# Altium PCB PCB1.PcbDoc (part 1 of 2) (continued)
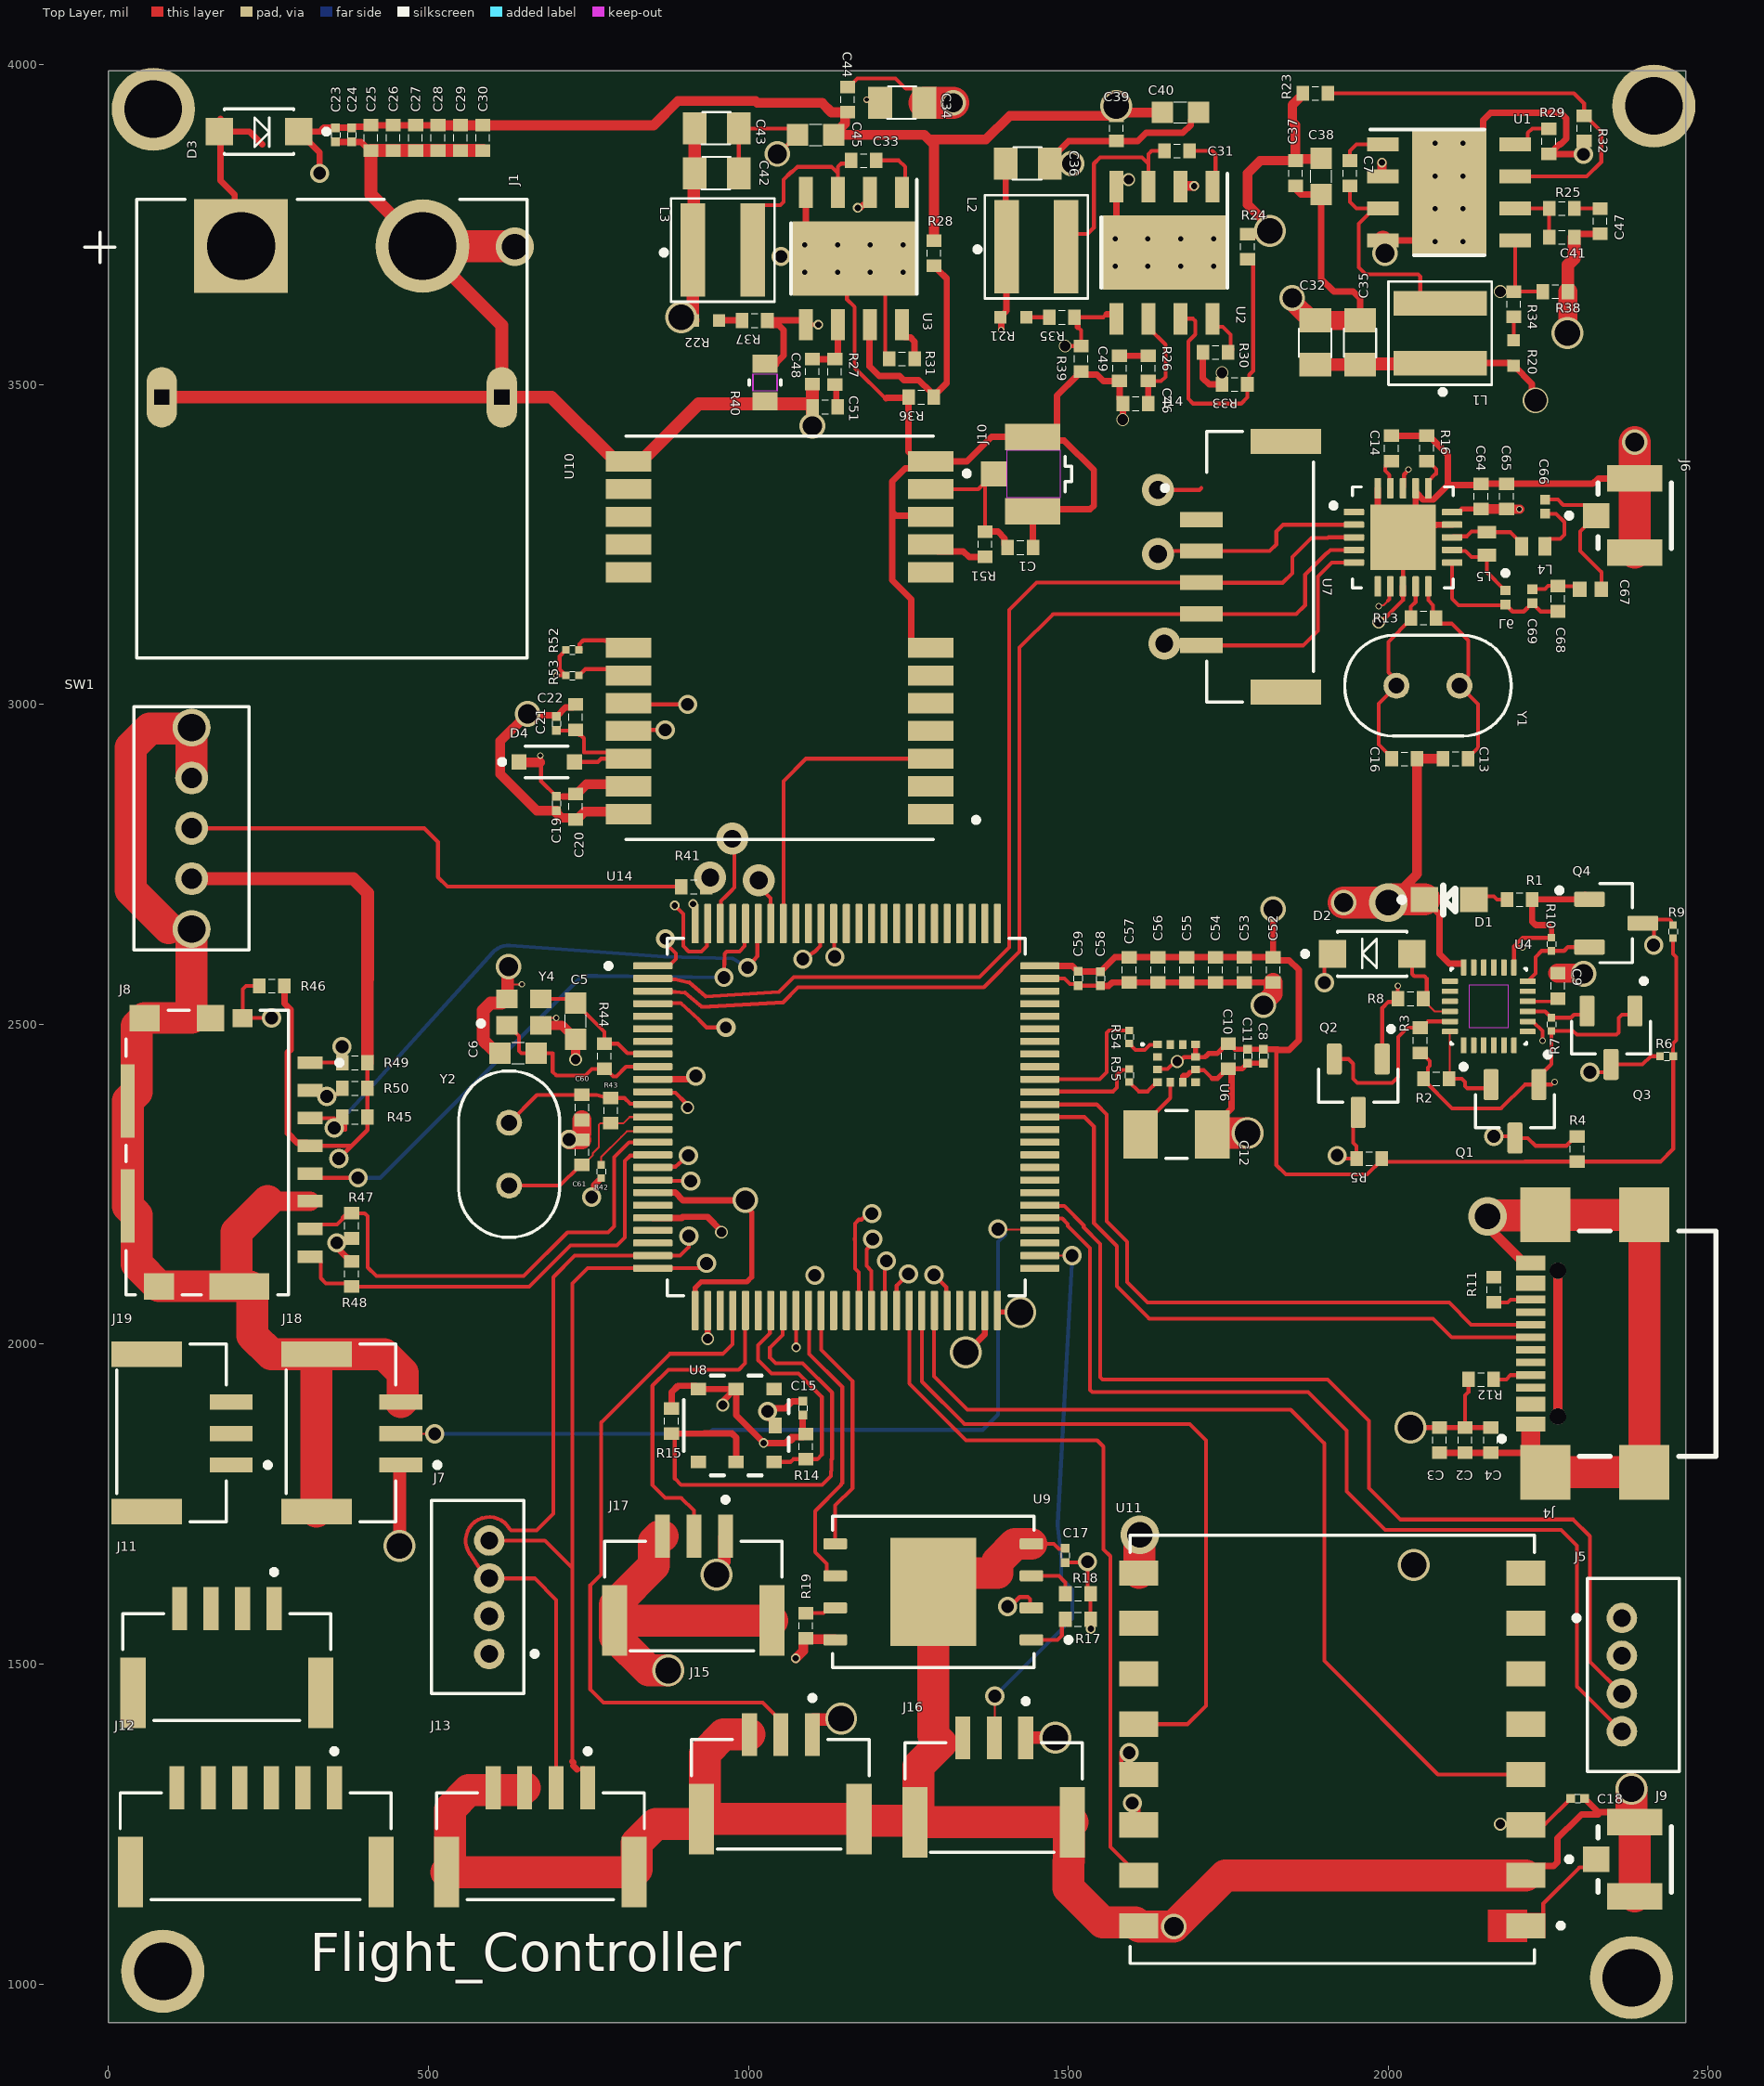
[diagram p0: Top Layer view]
## Part data (continued)
C41 C46 C48: "Cap Ceramic 100pF 100V C0G 5% SMD 0402 150°C Punched Paper T/R", Case Code (Imperial)=0402, Case Code (Metric)=1005, Dielectric=C0G, Manufacturer=TDK, Max Operating Temperature=150°C, Min Operating Temperature=-55°C, Package Quantity=10000, Supplier Part Number=445-C1005NP02A101J050BACT-ND, Tolerance=5%, Voltage Rating=100V, Case/Package=0402, Category="Ceramic Capacitors", ComponentLink1Description=http://www.mouser.com/ds/2/400/mlcc_commercial_hightemp_en-348760.pdf?src-supplier=Mouser, ComponentLink1URL=http://www.mouser.com/ds/2/400/mlcc_commercial_hightemp_en-348760.pdf?src-supplier=Mouser, ComponentLink2Description=https://product.tdk.com/en/products/common/pdf/mlcc_partnumber_description.pdf?src-supplier=Digi-Key, ComponentLink2URL=https://product.tdk.com/en/products/common/pdf/mlcc_partnumber_description.pdf?src-supplier=Digi-Key, ComponentLink3Description=http://product.tdk.com/capacitor/mlcc/class/print_detail_pdf.php?lang=en&part_no=C1005NP02A101J050BA&src-supplier=Avnet, ComponentLink3URL=http://product.tdk.com/capacitor/mlcc/class/print_detail_pdf.php?lang=en&part_no=C1005NP02A101J050BA&src-supplier=Avnet, Features="High Temperature", Height=0.5mm, Length=0.039inch, Manufacturer Part Number=C1005NP02A101J050BA, Mounting Technology="Surface Mount", Packaging="Tape and Reel", Pricing="1=0.14000, 10=0.10300, 50=0.05840, 100=0.04830, 500=0.03388, 1000=0.02805, 2500=0.02611, 5000=0.02389 (USD)", RoHS=Yes, RoHS Compliant=Yes, Stock=3231, Supplier=Digi-Key, Termination=SMD/SMT, Thickness=0.022inch, Voltage Rating (DC)=100V, Weight=2.3E-05oz, Width=0.02inch
C47 C49 C51: "Cap Ceramic 0.01uF 25V X5R 20% SMD 0402 85°C Punched Paper T/R", Case Code (Imperial)=0402, Case Code (Metric)=1005, Dielectric=X5R, Manufacturer=TDK, Max Operating Temperature=85°C, Min Operating Temperature=-55°C, Package Quantity=10000, Ratings=AEC-Q200, Supplier Part Number=445-12174-1-ND, Tolerance=20%, Voltage Rating=25V, Case/Package=0402, Category="Ceramic Capacitors", ComponentLink1Description=http://www.mouser.com/ds/2/400/lcc_automotive_general_en-843974.pdf?src-supplier=Mouser, ComponentLink1URL=http://www.mouser.com/ds/2/400/lcc_automotive_general_en-843974.pdf?src-supplier=Mouser, ComponentLink2Description=https://product.tdk.com/info/en/catalog/datasheets/mlcc_automotive_general_en.pdf?src-supplier=Digi-Key, ComponentLink2URL=https://product.tdk.com/info/en/catalog/datasheets/mlcc_automotive_general_en.pdf?src-supplier=Digi-Key, ComponentLink3Description=http://product.tdk.com/en/catalog/datasheets/mlcc_automotive_general_en.pdf?src-supplier=Avnet, ComponentLink3URL=http://product.tdk.com/en/catalog/datasheets/mlcc_automotive_general_en.pdf?src-supplier=Avnet, Height=0.5mm, Length=0.039inch, Manufacturer Part Number=CGA2B2X5R1E103M050BA, Mounting Technology="Surface Mount", Packaging="Tape and Reel", Pricing="1=0.10000, 10=0.03400, 50=0.01880, 100=0.01530, 500=0.01096, 1000=0.00861, 2500=0.00783, 5000=0.00720 (USD)", RoHS=Yes, RoHS Compliant=Yes, Series=CGA, Stock=528323, Supplier=Digi-Key, Thickness=0.022inch, Voltage Rating (DC)=25V, Weight=2.3E-05oz, Width=0.5mm
C65: "Multilayer Ceramic Capacitor, 1000 pF, 50 V, ± 10%, X7R, 0402 [1005 Metric]", Case Code (Imperial)=0402, Case Code (Metric)=1005, Dielectric=X7R, Manufacturer=Murata, Max Operating Temperature=125°C, Min Operating Temperature=-55°C, Package Quantity=1, Ratings=AEC-Q200, Supplier Part Number=7234950P, Tolerance=10%, Voltage=50V, Case/Package=0402, Category="Ceramic Capacitors", ComponentLink1Description=https://datasheet.ciiva.com/11786/0900766b80ef92d0-11786143.pdf?src-supplier=Rs, ComponentLink1URL=https://datasheet.ciiva.com/11786/0900766b80ef92d0-11786143.pdf?src-supplier=Rs, ComponentLink2Description=https://datasheet.ciiva.com/16213/product-16213384.pdf?src-supplier=Future+Electronics, ComponentLink2URL=https://datasheet.ciiva.com/16213/product-16213384.pdf?src-supplier=Future+Electronics, Construction=Flat, Depth=0.5mm, Height=0.5mm, Lead Free="Lead Free", Length=1mm, Manufacturer Part Number=GCM155R71H102KA37D, Material=4241ConductorMaterial, Mounting Technology="Surface Mount", Packaging="Tape and Reel", Pricing="400=1.045, 4000=0.675, 6000=0.495, 8000=0.31 (JPY)", Radiation Hardening=No, Reach SVHC Compliant=No, RoHS=Yes, RoHS Compliant=Yes, Series=GCM, Stock=9800, Supplier=Rs, Termination=SMD/SMT, Thickness=0.022inch, Voltage Rating=50V, Voltage Rating (DC)=50V, Width=0.02inch
C66: library part CGA1A2C0G1E1R5C030BA, "1.5 pF ±0.25pF 25V Ceramic Capacitor C0G, NP0 0201 (0603 Metric)", Manufacturer Part Number=CGA1A2C0G1E1R5C030BA
C67: library part GJM1555C1H1R0WB01D, "0402 50 V 1 pF ±0.05 pF Tolerance C0G Multilayer Ceramic Capacitor", Manufacturer Part Number=GJM1555C1H1R0WB01D
C68: "Multilayer Ceramic Capacitor, 2200 pF, 50 V, ± 10%, X7R, 0402 [1005 Metric]", Case Code (Imperial)=0402, Case Code (Metric)=1005, Dielectric=X7R, Manufacturer=Murata, Max Operating Temperature=125°C, Min Operating Temperature=-55°C, Package Quantity=1, Ratings=AEC-Q200, Supplier Part Number=7052250, Tolerance=10%, Voltage=50V, Case/Package=0402, Category="Ceramic Capacitors", ComponentLink1Description=https://datasheet.ciiva.com/130/product-130809.pdf?src-supplier=Digikey, ComponentLink1URL=https://datasheet.ciiva.com/130/product-130809.pdf?src-supplier=Digikey, ComponentLink2Description=https://datasheet.ciiva.com/130/product-130808.pdf?src-supplier=Digikey, ComponentLink2URL=https://datasheet.ciiva.com/130/product-130808.pdf?src-supplier=Digikey, ComponentLink3Description=https://datasheet.ciiva.com/130/product-130810.pdf?src-supplier=Digikey, ComponentLink3URL=https://datasheet.ciiva.com/130/product-130810.pdf?src-supplier=Digikey, ComponentLink4Description=https://datasheet.ciiva.com/11620/product-11620577.pdf?src-supplier=Avnet, ComponentLink4URL=https://datasheet.ciiva.com/11620/product-11620577.pdf?src-supplier=Avnet, ComponentLink5Description=https://datasheet.ciiva.com/26889/getdatasheetpartid-692458-26889132.pdf?src-supplier=Verical, ComponentLink5URL=https://datasheet.ciiva.com/26889/getdatasheetpartid-692458-26889132.pdf?src-supplier=Verical, Construction=Flat, Depth=0.5mm, Height=0.5mm, Lead Free=5697LeadFree, Length=1mm, Manufacturer Part Number=GCM155R71H222KA37D, Material=4241ConductorMaterial, Mounting Technology="Surface Mount", Packaging="Tape and Reel", Pricing="10000=0.0029, 40000=0.0027, 150000=0.0026, 250000=0.0025, 500000=0.0024 (USD)", Radiation Hardening=No, RoHS=Yes, RoHS Compliant=Yes, Series=GCM, Stock=80000, Supplier="Future Electronics", Termination=SMD/SMT, Thickness=0.022inch, Voltage Rating=50V, Voltage Rating (DC)=50V, Weight=2.3E-05oz, Width=0.02inch
C69: library part GRM0335C1E4R7CD01D, "4.7 pF ±0.25pF 25V Ceramic Capacitor C0G, NP0 0201 (0603 Metric)", Manufacturer Part Number=GRM0335C1E4R7CD01D
D1: "LED GREEN CLEAR 0603 R/A SMD", Case Code (Imperial)=0603, Case Code (Metric)=1608, Color=Green, Forward Current=30mA, Forward Voltage=2V, Lens Color=Colorless, Manufacturer="Vishay Lite-On", Max Operating Temperature=85°C, Min Operating Temperature=-55°C, Package Quantity=1, Power Dissipation=75mW, Reverse Voltage=5V, Supplier Part Number=6921219P, Test Current=20mA, Case/Package=0603, Category=LEDs, ComponentLink1Description=https://datasheet.ciiva.com/2110/ltst-s270kgkt-2110006.pdf?src-supplier=Digi-Key, ComponentLink1URL=https://datasheet.ciiva.com/2110/ltst-s270kgkt-2110006.pdf?src-supplier=Digi-Key, ComponentLink2Description=https://datasheet.ciiva.com/12400/ltst-s270kgkt-201847-12400865.pdf?src-supplier=Mouser, ComponentLink2URL=https://datasheet.ciiva.com/12400/ltst-s270kgkt-201847-12400865.pdf?src-supplier=Mouser, ComponentLink3Description=https://datasheet.ciiva.com/4266/dwonloadfilehandler-ashxtxtspecnods222000226-4266440.pdf?src-supplier=Arrow+Electronics, ComponentLink3URL=https://datasheet.ciiva.com/4266/dwonloadfilehandler-ashxtxtspecnods222000226-4266440.pdf?src-supplier=Arrow+Electronics, ComponentLink4Description=https://datasheet.ciiva.com/11774/0900766b80dc0b88-11774745.pdf?src-supplier=Rs, ComponentLink4URL=https://datasheet.ciiva.com/11774/0900766b80dc0b88-11774745.pdf?src-supplier=Rs, ComponentLink5Description=https://datasheet.ciiva.com/2110/s-110-ltst-s270kgkt-2110007.pdf?src-supplier=Digi-Key, ComponentLink5URL=https://datasheet.ciiva.com/2110/s-110-ltst-s270kgkt-2110007.pdf?src-supplier=Digi-Key, ComponentLink6Description=https://datasheet.ciiva.com/2110/s-110-ltst-s270kgkt-2110008.pdf?src-supplier=Digi-Key, ComponentLink6URL=https://datasheet.ciiva.com/2110/s-110-ltst-s270kgkt-2110008.pdf?src-supplier=Digi-Key, ComponentLink7Description=https://datasheet.ciiva.com/16448/ltst-s270kgkt-16448566.pdf?src-supplier=Future+Electronics, ComponentLink7URL=https://datasheet.ciiva.com/16448/ltst-s270kgkt-16448566.pdf?src-supplier=Future+Electronics, Depth=0.6mm, Dominant Wavelength=571nm, Height=0.6mm, Illumination Color=Green, Lead Free="Lead Free", Length=1.6mm, Lens Style=Diffused,Colorless,Rectangular,Clear, Lens Transparency=Clear, Luminous Intensity=71mcd, Manufacturer Part Number=LTST-S270KGKT, Mounting Technology="Surface Mount", Number of Elements=1, Number of LEDs=1, Packaging="Tape and Reel", Pins=2, Power Rating=75mW, Pricing="250=0.06300, 500=0.05900, 1250=0.03700, 2500=0.03500 (GBP)", Radiation Hardening=No, RoHS=Yes, RoHS Compliant=Yes, Stock=35150, Supplier=Rs, Viewing Angle=130°, Wavelength=574nm, Width=1.15mm
D2 D3: "Diode TVS Single Uni-Dir 30V 200W 2-Pin SOD-123F T/R", Breakdown Voltage=36.8V, Clamping Voltage=48.4V, Manufacturer=Littelfuse, Max Operating Temperature=150°C, Max Surge Current=4.1A, Min Breakdown Voltage=33.3V, Min Operating Temperature=-55°C, Peak Pulse Power=200W, Power Line Protection=No, Reverse Standoff Voltage=30V, Supplier Part Number=4083400, Category="TVS Diodes", ComponentLink1Description=https://datasheet.ciiva.com/6578/littelfuse-tvs-diode-smf-datasheet-pdf-6578351.pdf?src-supplier=Digi-Key, ComponentLink1URL=https://datasheet.ciiva.com/6578/littelfuse-tvs-diode-smf-datasheet-pdf-6578351.pdf?src-supplier=Digi-Key, Diode Type=ZENER, Lead Free="Lead Free", Manufacturer Part Number=SMF30A, Max Breakdown Voltage=36.8V, Mounting Technology="Surface Mount", Number of Channels=1, Number of Unidirectional Channels=1, Packaging="Tape and Reel", Peak Pulse Current=4.1A, Pins=2, Polarity=Unidirectional, Pricing="3000=0.0941, 9000=0.0905, 15000=0.0889, 30000=0.0867, 60000=0.0834 (USD)", Reach SVHC Compliant=Unknown, RoHS=Yes, RoHS Compliant=Yes, Series=SMF, Stock=75000, Supplier="Future Electronics", Termination=SMD/SMT
D4: "Diode Zener Single 5.1V 2% 500mW Automotive 2-Pin SOD-323F T/R", Case/Package=SOD-323F, Manufacturer=Nexperia, Supplier Part Number=1727-1761-1-ND, Category="Zener Diodes", ComponentLink1Description=http://www.farnell.com/datasheets/1508366.pdf?src-supplier=Farnell, ComponentLink1URL=http://www.farnell.com/datasheets/1508366.pdf?src-supplier=Farnell, ComponentLink2Description=https://www.mouser.com/ds/2/302/TDZXJ_SER-119854.pdf?src-supplier=Mouser, ComponentLink2URL=https://www.mouser.com/ds/2/302/TDZXJ_SER-119854.pdf?src-supplier=Mouser, Manufacturer Part Number=TDZ5V1J,115, Pricing="1=0.34000, 10=0.28100, 100=0.14910, 500=0.09810, 1000=0.06671 (USD)", RoHS=Yes, RoHS Compliant=Yes, Stock=14899, Supplier=Digi-Key
J1: "Socket, DC supply, male, PIN: 2", Manufacturer Part Number=XT60PW-M
J4: "USB-C (USB TYPE-C) USB 2.0 Receptacle Connector 24 (16+8 Dummy) Position Surface Mount, Right Angle", Manufacturer Part Number=USB4110GFA
J5 J7: "Header for PCB; pitch 1.50mm; 4-contacts; THT; male; top entry; 50V/1A", Color=Natural,White, Contact Resistance=30mR, Current Rating=1A, Flammability Rating="UL94 V-0", Housing Color=Beige, Insulation Resistance=500MR, Manufacturer=JST, Max Operating Temperature=85°C, Max Voltage Rating (AC)=50V, Min Operating Temperature=-25°C, Supplier Part Number=4966537, Body Plating=Tin, Category="Headers and Wire Housings", ComponentLink1Description=https://datasheet.ciiva.com/11752/0900766b8082f580-11752165.pdf?src-supplier=Rs, ComponentLink1URL=https://datasheet.ciiva.com/11752/0900766b8082f580-11752165.pdf?src-supplier=Rs, ComponentLink2Description=https://datasheet.ciiva.com/25616/0900766b81147f94-25616839.pdf?src-supplier=Rs, ComponentLink2URL=https://datasheet.ciiva.com/25616/0900766b81147f94-25616839.pdf?src-supplier=Rs, ComponentLink3Description=https://datasheet.ciiva.com/6747/80551-6747412.pdf?src-supplier=Newark, ComponentLink3URL=https://datasheet.ciiva.com/6747/80551-6747412.pdf?src-supplier=Newark, ComponentLink4Description=https://datasheet.ciiva.com/26894/getdatasheetpartid-731121-26894470.pdf?src-supplier=Verical, ComponentLink4URL=https://datasheet.ciiva.com/26894/getdatasheetpartid-731121-26894470.pdf?src-supplier=Verical, ComponentLink5Description=https://datasheet.ciiva.com/712/ezh-712479.pdf?src-supplier=Digikey, ComponentLink5URL=https://datasheet.ciiva.com/712/ezh-712479.pdf?src-supplier=Digikey, ComponentLink6Description=https://datasheet.ciiva.com/8052/80551-8052053.pdf?src-supplier=Element14, ComponentLink6URL=https://datasheet.ciiva.com/8052/80551-8052053.pdf?src-supplier=Element14, ComponentLink7Description=https://datasheet.ciiva.com/16207/ezr-16207223.pdf?src-supplier=Future+Electronics, ComponentLink7URL=https://datasheet.ciiva.com/16207/ezr-16207223.pdf?src-supplier=Future+Electronics, Contact Material=Brass,Tin,Copper, Contact Mating Length=0.094inch, Contact Plating=Tin,Copper, Contact Type="Male Pin", Depth=3.5mm, Fastening Type=Detent, Housing Material=Polyamide, Lead Free="Lead Free", Lead Pitch=1.5mm, Length=7.5mm, Manufacturer Part Number=B4B-ZR(LF)(SN), Material=Nylon, Max Current Rating=1A, Mounting Technology="Through Hole", Number of Contacts=4, Number of Positions=4, Number of Rows=1, Orientation=Straight, Packaging=Bulk, Panel Thickness=3.5mm, Pitch=1.5mm, Pricing="1=0.1, 400=0.0957, 1250=0.0916, 2000=0.0908, 4000=0.0877, 8000=0.0861, 10000=0.0854, 12500=0.0803, 30000=0.081 (USD)", Reach SVHC Compliant=No, RoHS=Yes, Series=ZH, Stock=657, Supplier="Future Electronics", Termination=Solder, Voltage Rating=50V, Voltage Rating (AC)=50V, Voltage Rating (DC)=50V
J6 J9: "RF Connector; Coaxial Connectors MicroCoax receptacle UMCC Gen 1", Clock Frequency=6GHz, Dielectric Material=Thermoplastic, Manufacturer="TE Connectivity", Max Operating Temperature=85°C, Min Operating Temperature=-40°C, Supplier Part Number=1888357, Body Material="Copper Alloy", Category="RF / Coaxial Connectors", Center Contact Plating=Gold, ComponentLink1Description=https://www.te.com/commerce/DocumentDelivery/DDEController?Action=srchrtrv&amp;DocNm=C-2337019&amp;DocType=Customer+Drawing&amp;DocLang=English&src-supplier=Digi-Key, ComponentLink1URL=https://www.te.com/commerce/DocumentDelivery/DDEController?Action=srchrtrv&amp;DocNm=C-2337019&amp;DocType=Customer+Drawing&amp;DocLang=English&src-supplier=Digi-Key, ComponentLink2Description=https://datasheet.octopart.com/2337019-1-TE-Connectivity-datasheet-169146699.pdf?src-supplier=Sager+Electronics, ComponentLink2URL=https://datasheet.octopart.com/2337019-1-TE-Connectivity-datasheet-169146699.pdf?src-supplier=Sager+Electronics, Connector Type="Receptacle,Male Pin", Contact Material="Copper Alloy", Impedance=50R, Manufacturer Part Number=2337019-1, Mounting Technology="Surface Mount", Number of Ports=1, Packaging="Cut Tape", Pricing="10000=0.074, 30000=0.074 (GBP)", RoHS=Yes, Series=-, Stock=10300, Supplier=Rs, Termination=Solder
J8: "Conn Micro SD Card HDR 8 POS 1.09mm Solder RA SMD 0.5A/Contact Embossed T/R", Manufacturer=Molex, Max Operating Temperature=85°C, Max Voltage Rating (DC)=5V, Min Operating Temperature=-40°C, Package Quantity=6000, Supplier Part Number 1=WM14405CT-ND, Category="Memory Connectors", ComponentLink1Description=https://datasheet.ciiva.com/29723/1051620101-sd-29723393.pdf?src-supplier=Digikey, ComponentLink1URL=https://datasheet.ciiva.com/29723/1051620101-sd-29723393.pdf?src-supplier=Digikey, Connector Type=Connector, Contact Material=Bronze, Contact Plating=Gold, Depth=7.6mm, Housing Material=Thermoplastic, Length=11.3mm, Manufacturer Part Number=1051620001, Mount="Surface Mount", Number of Circuits=8, Number of Rows=1, Orientation="Right Angle", Packaging="Tape and Reel", Pricing 1="1=1.03, 10=0.852, 100=0.7098, 1000=0.56786 (USD)", RoHS=Yes, RoHS Compliant=Yes, Series=105162, Stock 1=43165, Supplier 1=Digikey, Termination=Solder
J10: "1 POS Vertical SMD Coaxial connector M.2 industry standard with a mated height of 1.4 mm and support up to 12 GHz MHF 4L Receptacle", Manufacturer Part Number=20279-001E-03
J11 J13: "Conn Shrouded Header HDR 4 POS 1.25mm Solder ST Top Entry SMD T/R", Manufacturer=JST, Supplier Part Number=455-1580-1-ND, Category="Headers and Wire Housings", ComponentLink1Description=http://www.jst-mfg.com/product/pdf/eng/eGH.pdf?src-supplier=Digi-Key, ComponentLink1URL=http://www.jst-mfg.com/product/pdf/eng/eGH.pdf?src-supplier=Digi-Key, ComponentLink2Description=http://www.jst-mfg.com/product/pdf/eng/eGH.pdf?src-supplier=Component+Distributors+Inc., ComponentLink2URL=http://www.jst-mfg.com/product/pdf/eng/eGH.pdf?src-supplier=Component+Distributors+Inc., Manufacturer Part Number=BM04B-GHS-TBT(LF)(SN)(N), Pricing="1=0.50000, 10=0.42400, 100=0.32960, 500=0.28252, 1000=0.23544 (USD)", RoHS=Yes, Stock=4992, Supplier=Digi-Key
J12 J14: "Conn Shrouded Header (4 Sides) HDR 6 POS 1.25mm Solder ST Top Entry SMD T/R", Color=Natural, Flammability Rating="UL94 V-0", Manufacturer=JST, Max Operating Temperature=85°C, Min Operating Temperature=-25°C, Supplier Part Number=455-1582-6-ND, Voltage Rating=50V, Category=Connectors, ComponentLink1Description=https://datasheet.ciiva.com/712/egh-712475.pdf?src-supplier=Digi-Key, ComponentLink1URL=https://datasheet.ciiva.com/712/egh-712475.pdf?src-supplier=Digi-Key, ComponentLink2Description=https://datasheet.ciiva.com/712/egh-712476.pdf?src-supplier=Digi-Key, ComponentLink2URL=https://datasheet.ciiva.com/712/egh-712476.pdf?src-supplier=Digi-Key, ComponentLink3Description=https://datasheet.ciiva.com/730/egh-730626.pdf?src-supplier=Digi-Key, ComponentLink3URL=https://datasheet.ciiva.com/730/egh-730626.pdf?src-supplier=Digi-Key, Connector Type=Header, Contact Finish - Mating=TIN, Contact Material=Bronze, Contact Plating=Tin, Contact Shape=Rectangular, Contact Type="Outer Shroud Contact", Fastening Type=Ramp, Insulation Color=Natural, Insulation Material=Nylon, Lead Free="Lead Free", Manufacturer Part Number=BM06B-GHS-TBT(LF)(SN)(N), Mated Stacking Heights=7.3mm, Mounting Technology="Surface Mount", Number of Positions=6, Number of Rows=1, Packaging="Cut Tape", Pitch=0.049inch, Pricing="1=0.55, 10=0.482, 100=0.397, 500=0.34518, 1000=0.28477 (USD)", RoHS=Yes, Series=GH, Supplier=Digi-Key, Termination=Solder
J15 J16 J17 J18 J19: "Connector Header, GH Series, 3 Position, 1.25mm, 50V, Surface Mount, Locking Ramp, Natural", Current Rating=1A, Manufacturer=JST, Supplier Part Number="BM03B-GHS-TBT (LF)(SN)(N)", Category="Headers and Wire Housings", ComponentLink1Description=https://datasheet.ciiva.com/730/egh-730628.pdf?src-supplier=Digikey, ComponentLink1URL=https://datasheet.ciiva.com/730/egh-730628.pdf?src-supplier=Digikey, Height=4.05mm, Lead Free=5697LeadFree, Manufacturer Part Number=BM03B-GHS-TBT(LF)(SN)(N), Number of Contacts=3NUMBER, Orientation=5495OrientationType, Pricing="2500=0.352, 5000=0.3351, 10000=0.3244, 20000=0.3146, 25000=0.3041, 50000=0.2948 (USD)", RoHS=Yes, Stock=5000, Supplier="Arrow Electronics"
L1 L2 L3: "General Purpose Inductor, 15uH, 20%, 1 Element, SMD, 1616", Manufacturer="Wurth Electronics", Supplier Part Number=2842179, Category="Fixed Inductors", ComponentLink1Description=http://www.farnell.com/datasheets/2579563.pdf?src-supplier=Farnell, ComponentLink1URL=http://www.farnell.com/datasheets/2579563.pdf?src-supplier=Farnell, ComponentLink2Description=http://www.farnell.com/datasheets/2579563.pdf?src-supplier=Element14, ComponentLink2URL=http://www.farnell.com/datasheets/2579563.pdf?src-supplier=Element14, ComponentLink3Description=https://katalog.we-online.de/pbs/datasheet/74438356150.pdf?src-supplier=Digikey, ComponentLink3URL=https://katalog.we-online.de/pbs/datasheet/74438356150.pdf?src-supplier=Digikey, ComponentLink4Description=http://www.farnell.com/datasheets/2579563.pdf?src-supplier=Newark, ComponentLink4URL=http://www.farnell.com/datasheets/2579563.pdf?src-supplier=Newark, Manufacturer Part Number=74438356150, Pricing="1=338.96, 50=322.98, 100=299, 250=276.61, 500=257.42, 1000=209.46, 5000=205.28, 10000=201.09 (JPY)", RoHS=Yes, Stock=719, Supplier=Farnell
L4: library part LQW15AN2N7G8ZD, "Inductor with Inductance: 2.7nH Tol. +/-2%, Package: 0402 (1005)", Manufacturer Part Number=LQW15AN2N7G8ZD
L5: library part LQW15AN8N2J00D, "Inductor with Inductance: 8.2nH Tol. +/-5%, Package: 0402 (1005)", Manufacturer Part Number=LQW15AN8N2J00D
L6: library part LQP03TG3N9B02D, "Inductor with Inductance: 3.9nH Tol. +/-0.1nH, Package: 0201 (0603)", Manufacturer Part Number=LQP03TG3N9B02D
Q1 Q2 Q3 Q4: "N-Channel 50 V 220mA (Tj) 430mW Surface Mount SOT-23", Manufacturer Part Number=BSS138
R1: "Res Thin Film 0402 1K Ohm 0.1% 0.063W(1/16W) ±10ppm/C Pad SMD Automotive T/R", Case Code (Imperial)=0402, Case Code (Metric)=1005, Manufacturer=Panasonic, Max Operating Temperature=155°C, Max Power Dissipation=63mW, Min Operating Temperature=-55°C, Ratings=AEC-Q200, Resistance Tolerance=0.1%, Resistor Type="Thin Film", Supplier Part Number=667-ERA-2ARB102X, Temperature Coefficient=10ppm/°C, Voltage Rating=25V, Case/Package=0402, Category="Chip SMD Resistors", ComponentLink1Description=https://datasheet.ciiva.com/46422/1678789-46422459.pdf?src-supplier=Element14, ComponentLink1URL=https://datasheet.ciiva.com/46422/1678789-46422459.pdf?src-supplier=Element14, ComponentLink2Description=https://datasheet.ciiva.com/46422/1678789-46422460.pdf?src-supplier=Element14, ComponentLink2URL=https://datasheet.ciiva.com/46422/1678789-46422460.pdf?src-supplier=Element14, Features="Automotive AEC-Q200", Height=0.016inch, Lead Free=5697LeadFree, Length=0.039inch, Manufacturer Part Number=ERA-2ARB102X, Number of Terminations=2, Packaging="Cut Tape", Power Rating=63mW, Pricing="1=0.73, 10=0.517, 50=0.396, 100=0.289, 1000=0.229, 10000=0.22 (USD)", Reach SVHC Compliant=No, RoHS=No, Series=ERA-2A, Stock=5741, Supplier=Mouser, Tolerance=0.1%, Voltage Rating (DC)=25V, Width=0.02inch
R2 R3 R4 R5 R8 R17 R41 R45 R46 R47 R48 R49 R50: "Res Thick Film 0402 10K Ohm 5% 1/10W ±200ppm/°C Molded SMD Punched Carrier T/R", Case Code (Imperial)=0402, Case Code (Metric)=1005, Manufacturer=Panasonic, Max Operating Temperature=155°C, Max Power Dissipation=100mW, Min Operating Temperature=-55°C, Package Quantity=10000, Ratings=AEC-Q200, Resistance Tolerance=5%, Resistor Type="Thick Film", Supplier Part Number=P10KJCT-ND, Temperature Coefficient=200ppm/°C, Voltage Rating=50V, Case/Package=0402, Category="Chip SMD Resistors", ComponentLink1Description=https://datasheet.ciiva.com/27055/1935721-27055112.pdf?src-supplier=Jameco, ComponentLink1URL=https://datasheet.ciiva.com/27055/1935721-27055112.pdf?src-supplier=Jameco, ComponentLink2Description=https://datasheet.ciiva.com/11821/0900766b80f806dd-11821170.pdf?src-supplier=Rs, ComponentLink2URL=https://datasheet.ciiva.com/11821/0900766b80f806dd-11821170.pdf?src-supplier=Rs, ComponentLink3Description=https://datasheet.ciiva.com/24070/aoa0000ce1-37422-24070679.pdf?src-supplier=Mouser, ComponentLink3URL=https://datasheet.ciiva.com/24070/aoa0000ce1-37422-24070679.pdf?src-supplier=Mouser, ComponentLink4Description=https://datasheet.ciiva.com/16767/70260739-16767130.pdf?src-supplier=Allied+Electronics, ComponentLink4URL=https://datasheet.ciiva.com/16767/70260739-16767130.pdf?src-supplier=Allied+Electronics, ComponentLink5Description=https://datasheet.ciiva.com/9194/aoa0000ce1-9194140.pdf?src-supplier=Avnet, ComponentLink5URL=https://datasheet.ciiva.com/9194/aoa0000ce1-9194140.pdf?src-supplier=Avnet, ComponentLink6Description=https://datasheet.ciiva.com/43460/1678796-43460391.pdf?src-supplier=Farnell, ComponentLink6URL=https://datasheet.ciiva.com/43460/1678796-43460391.pdf?src-supplier=Farnell, ComponentLink7Description=https://datasheet.ciiva.com/22785/1678796-22785949.pdf?src-supplier=Farnell, ComponentLink7URL=https://datasheet.ciiva.com/22785/1678796-22785949.pdf?src-supplier=Farnell, ComponentLink8Description=https://datasheet.ciiva.com/46371/1678796-46371910.pdf?src-supplier=Element14, ComponentLink8URL=https://datasheet.ciiva.com/46371/1678796-46371910.pdf?src-supplier=Element14, ComponentLink9Description=https://datasheet.ciiva.com/28514/1678796-28514154.pdf?src-supplier=Element14, ComponentLink9URL=https://datasheet.ciiva.com/28514/1678796-28514154.pdf?src-supplier=Element14, ComponentLink10Description=https://datasheet.ciiva.com/16774/70260739-16774504.pdf?src-supplier=Allied+Electronics, ComponentLink10URL=https://datasheet.ciiva.com/16774/70260739-16774504.pdf?src-supplier=Allied+Electronics, ComponentLink11Description=https://datasheet.ciiva.com/48531/aoa0000ce1-48531082.pdf?src-supplier=Avnet, ComponentLink11URL=https://datasheet.ciiva.com/48531/aoa0000ce1-48531082.pdf?src-supplier=Avnet, Construction=Rectangular, Contact Plating=Tin, Depth=0.5mm, Features="Automotive AEC-Q200", Height=0.35mm, Lead Free="Lead Free", Length=1mm, Manufacturer Part Number=ERJ-2GEJ103X, Military Standard=Not, Mounting Technology="Surface Mount", Number of Terminations=2, Packaging="Cut Tape", Power Rating=100mW, Pricing="1=0.10000, 10=0.02900, 100=0.01180, 1000=0.00532, 2500=0.00461, 5000=0.00381 (USD)", Radiation Hardening=No, Reach SVHC Compliant=Yes, RoHS=Yes, RoHS Compliant=Yes, Series=ERJ, Stock=10562994, Supplier=Digi-Key, Technology="THICK FILM", Termination=SMD/SMT, Tolerance=5%, Voltage Rating (DC)=50V, Width=0.5mm
R6 R7 R9 R10 R52 R53 R54 R55: "SMD Chip Resistor, 4.7 kOhm, ï¿½ 1%, 50 mW, 0201 [0603 Metric], Thick Film, General Purpose", Case Code (Imperial)=0201, Case Code (Metric)=0603, Manufacturer=Panasonic, Max Operating Temperature=125°C, Max Power Dissipation=50mW, Min Operating Temperature=-55°C, Package Quantity=15000, Ratings=AEC-Q200, Resistance Tolerance=1%, Resistor Type="Thick Film", Supplier Part Number=1797160, Temperature Coefficient=200ppm/°C, Voltage Rating=25V, Case/Package=0201, Category="Chip SMD Resistors", ComponentLink1Description=https://datasheet.ciiva.com/7830/1678782-7830714.pdf?src-supplier=Element14, ComponentLink1URL=https://datasheet.ciiva.com/7830/1678782-7830714.pdf?src-supplier=Element14, ComponentLink2Description=https://datasheet.ciiva.com/43467/1678782-43467070.pdf?src-supplier=Farnell, ComponentLink2URL=https://datasheet.ciiva.com/43467/1678782-43467070.pdf?src-supplier=Farnell, ComponentLink3Description=https://datasheet.ciiva.com/46375/1678782-46375115.pdf?src-supplier=Element14, ComponentLink3URL=https://datasheet.ciiva.com/46375/1678782-46375115.pdf?src-supplier=Element14, ComponentLink4Description=https://datasheet.ciiva.com/22743/1678782-22743082.pdf?src-supplier=Element14, ComponentLink4URL=https://datasheet.ciiva.com/22743/1678782-22743082.pdf?src-supplier=Element14, ComponentLink5Description=https://datasheet.ciiva.com/22743/1678782-22743083.pdf?src-supplier=Element14, ComponentLink5URL=https://datasheet.ciiva.com/22743/1678782-22743083.pdf?src-supplier=Element14, ComponentLink6Description=https://datasheet.ciiva.com/16201/aoa0000ce2-16201382.pdf?src-supplier=Future+Electronics, ComponentLink6URL=https://datasheet.ciiva.com/16201/aoa0000ce2-16201382.pdf?src-supplier=Future+Electronics, Contact Plating=Tin,Matte, Features="Automotive AEC-Q200", Height=0.01inch, Lead Free=5697LeadFree, Length=0.024inch, Manufacturer Part Number=ERJ-1GNF4701C, Mounting Technology="Surface Mount", Number of Terminations=2, Packaging="Tape and Reel", Pins=2, Power Rating=50mW, Pricing="1000=0.009, 5000=0.008, 10000=0.007 (EUR)", Reach SVHC Compliant=Unknown, RoHS=Yes, RoHS Compliant=Yes, Series=ERJ, Stock=2000, Supplier=Rs, Technology="THICK FILM", Tolerance=1%, Voltage Rating (DC)=25V, Width=0.3mm, Working Voltage=25V
R11 R12 R16: "High Precision-High Stability Chip Resistor Thin Film 0402 22.1kOhm 0.1% Paper T/R", Case Code (Imperial)=0402, Manufacturer=Yageo, Max Operating Temperature=155°C, Max Power Dissipation=63mW, Min Operating Temperature=-55°C, Package Quantity=10000, Temperature Coefficient=50ppm/°C, Tolerance=0.1%, Voltage Rating (DC)=50V, Case/Package=0402, Category="Chip SMD Resistors", ComponentLink1Description=https://datasheet.ciiva.com/2582/pyu-rt-1-to-0-05-rohs-l-5-2582688.pdf?src-supplier=Digikey, ComponentLink1URL=https://datasheet.ciiva.com/2582/pyu-rt-1-to-0-05-rohs-l-5-2582688.pdf?src-supplier=Digikey, Height=0.014inch, Lead Free="Lead Free", Length=0.039inch, Manufacturer Part Number=RT0402BRE0722K1L, Number of Terminations=2, Packaging="Tape and Reel", Pricing="1=0.0648, 10=0.0427, 25=0.0361, 100=0.033, 250=0.0327, 500=0.0303, 1000=0.0294, 3000=0.0285, 6000=0.0276 (USD)", RoHS=Yes, RoHS Compliant=Yes, Series=RT, Stock=9703, Supplier="Arrow Electronics", Supplier Part Number=RT0402BRE0722K1L, Width=0.02inch